# Altium PCB Main_Board2.PcbDoc (part 1 of 2)
Units mm, origin at the board's own origin, x right, y up, seen from the top; angles counter-clockwise.
Board outline 136.91 x 66.34 mm, 2 copper layers (Top Layer, Bottom Layer); 76 components, 99 nets, 355 pads, 359 vias.
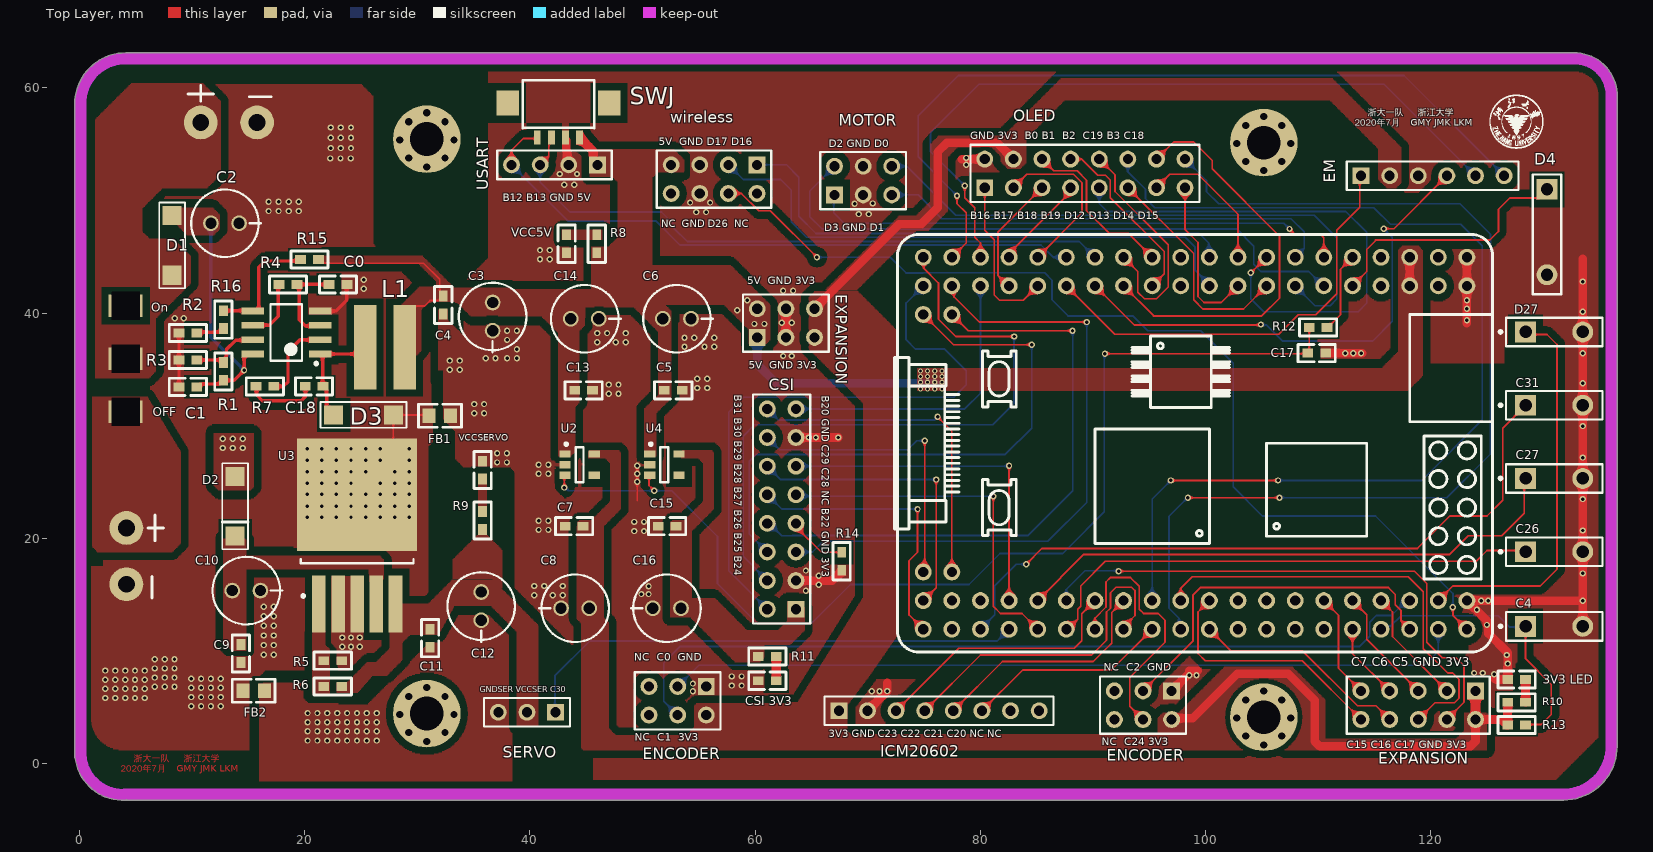
[diagram p0: Top Layer view]
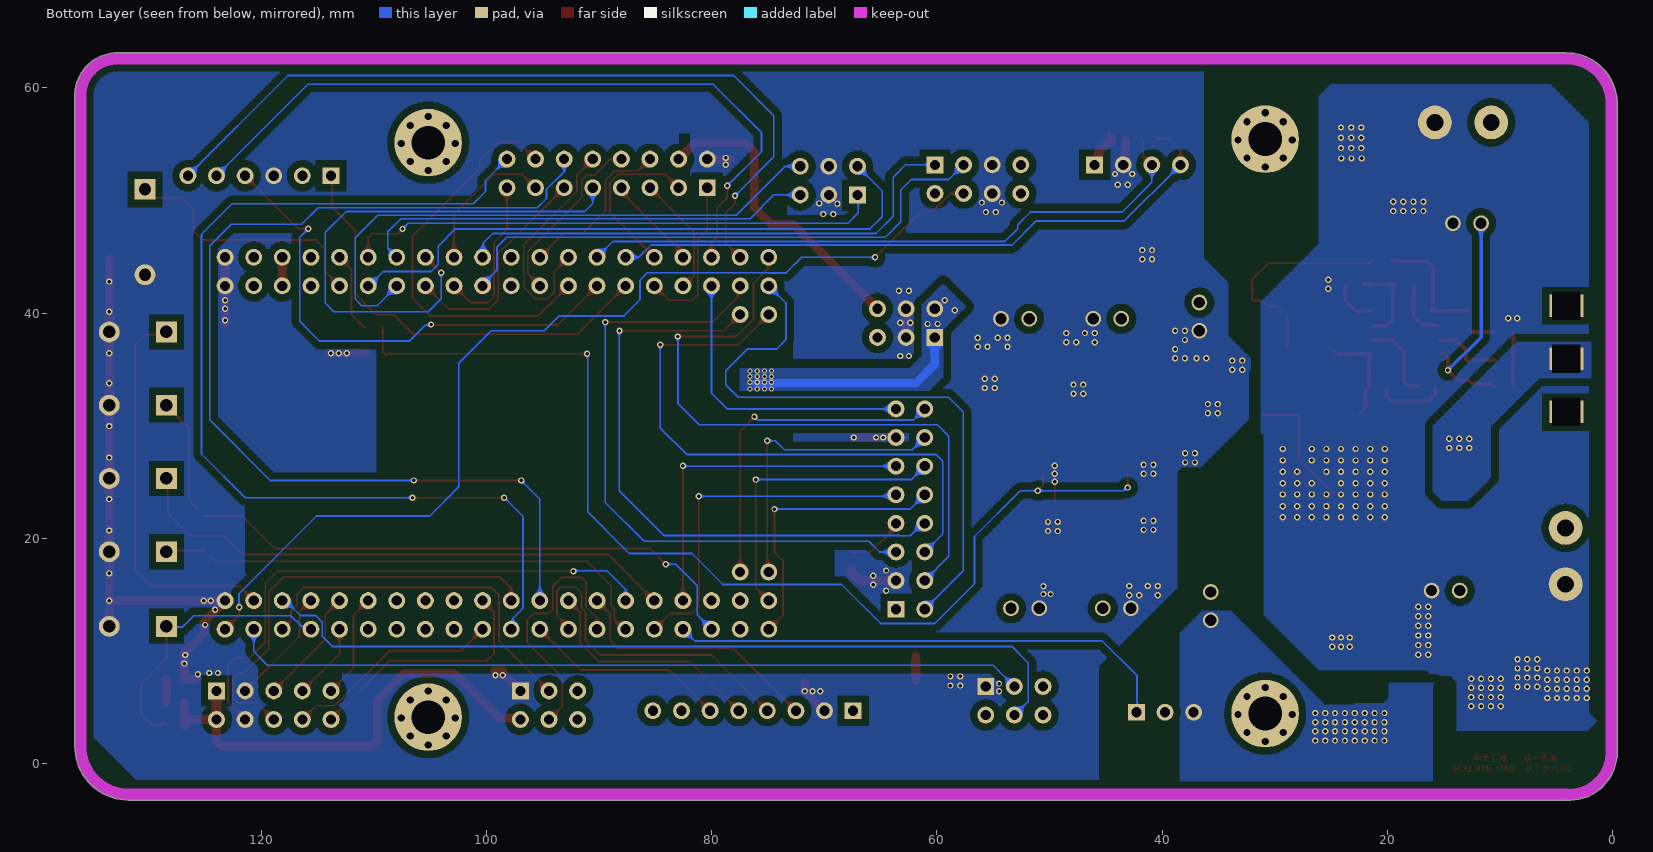
[diagram p1: Bottom Layer view, seen from below]

## Layer stack, top to bottom
Top Solder: solder mask 0.0102, Solder Resist, Dk 3.5
Top Layer: signal copper 0.0356
Dielectric 1: dielectric 0.32, FR-4, Dk 4.8
Bottom Layer: signal copper 0.0356
Bottom Solder: solder mask 0.0102, Solder Resist, Dk 3.5

## Board outline
4.087,-3.237 cw(c3.88,1.019) -0.342,0.438 cw(c0.127,0.635) -0.381,0.635 -0.381,1.011 cw(c3.88,1.019) -0.381,1.027 -0.381,58.801 cw(c0.128,58.801) -0.37,58.905 cw(c4.127,58.594) 4.127,63.102 132.667,63.102 cw(c132.741,59.318) 136.521,59.493 cw(c136.016,59.436) 136.525,59.436 136.525,59.396 cw(c136.016,59.386) 136.525,59.386 cw(c136.016,59.386) 136.525,59.377 136.525,1.563 cw(c136.017,1.563) 136.525,1.557 cw(c131.744,1.553) 136.525,1.553 cw(c131.744,1.553) 131.755,-3.229 cw(c131.754,-2.721) 131.75,-3.229 cw(c131.744,-2.721) 131.744,-3.229 4.327,-3.229 cw(c4.327,-2.721) 4.21,-3.215 cw(c4.062,-2.729)

## Design rules (kind name [scope] priority, off if disabled: settings)
Clearance [All] p1: gap=0.6 ignorepadtopadclearanceinfootprint=TRUE
PlaneConnect [All] p1: planeconnectstyle=Direct reliefexpansion=0.508 reliefentries=4 reliefconductorwidth=0.254 reliefairgap=0.254
PolygonConnect [All] p1: connectstyle=Direct reliefconductorwidth=0.254 reliefentries=4 polygonreliefangle="90 Angle" airgapwidth=0.254
RoutingVias [All] p1: holewidth=0.305 width=0.559 viastyle="Through Hole" minholewidth=0.305 minwidth=0.559 maxholewidth=0.305 maxwidth=0.559
SilkToSilkClearance [All] p1: silktosilkclearance=0.051
SilkToSolderMaskClearance [IsPad] p1: minsilkscreentomaskgap=0.051 clearancetoexposedcopper=TRUE
SolderMaskExpansion [All] p1: expansion=0.102
Width PWR [InNetClass('PWR')] p1: maxlimit=1.524 minlimit=0.762 preferedwidth=0.762
Width [All] p2: maxlimit=0.152 minlimit=0.152 preferedwidth=0.152
27 further rules are at their usual default settings.

## Classes and differential pairs
component class main_board2: C0 C1 C2 C3 C5 C6 C7 C8 C9 C10 C11 C12 C13 C14 C15 C16 C17 C18 D1 D2 D3 FB1 FB2 L1 LED1 LED2 LED3 LED4 P1 P2 P3 P4 P5 P6 P7 P8 P9 P10 P11 P12 P13 R1 R2 R3 R4 R5 R6 R7 R8 R9 R10 R11 R12 R13 R14 R15 R16 S0 S1 S2 S3 S4 S5 S6 U2 U3 U4 U6

## Components (designator, comment, footprint, x,y, rotation, side; value= is the part's Value field where it differs from the comment)
"3V3 LED" "0" 0603C 127.603,7.48 r180 top (schematic designator LED3)
C0 "Cap" 0603C 22.982,42.545 r0 top value=1uF
C1 "Cap" 0603C 9.652,33.452 r0 top value=100nF
C2 "Cap" 电解电容 11.696,47.981 r0 top value=100uF/16V
C3 "Cap" 电解电容 36.703,40.942 r270 top value=100uF/16V
C4 "" SPST-2 130.937,12.192 r0 top (schematic designator S4)
C4 "Cap" 0603C 32.32,40.719 r90 top value=100nF
C5 "Cap" 0603C 52.737,33.147 r180 top value=100nF
C6 "Cap" 电解电容 51.816,39.497 r0 top value=100uF/16V
C7 "Cap" 0603C 43.942,21.082 r0 top value=100nF
C8 "Cap" 电解电容 45.28,13.795 r180 top value=100uF/16V
C9 "Cap" 0603C 14.351,9.779 r90 top value=100nF
C10 "Cap" 电解电容 13.589,15.367 r0 top value=100uF/16V
C11 "Cap" 0603C 31.153,11.144 r90 top value=100nF
C12 "Cap" 电解电容 35.687,15.24 r270 top value=100uF/16V
C13 "Cap" 0603C 44.78,33.147 r180 top value=100nF
C14 "Cap" 电解电容 43.634,39.497 r0 top value=100uF/16V
C15 "Cap" 0603C 52.197,21.082 r0 top value=100nF
C16 "Cap" 电解电容 53.427,13.795 r180 top value=100uF/16V
C17 "Cap" 0603C 109.855,36.449 r180 top value=10uF
C18 "Cap" 0603C 20.853,33.503 r0 top value=1uF
C26 "" SPST-2 130.937,18.821 r0 top (schematic designator S4)
C27 "" SPST-2 130.937,25.324 r0 top (schematic designator S3)
C31 "" SPST-2 130.937,31.826 r0 top (schematic designator S2)
CSI "Header 8X2" HDR2X8 63.627,13.716 r90 top (schematic designator P11)
"CSI 3V3" "0" 0603C 61.087,7.366 r180 top (schematic designator LED4)
D1 "SS54" ss54 8.255,46.008 r270 top
D2 "SS54" SS54 13.843,22.86 r90 top
D3 "SS54" ss54 25.242,30.963 r180 top
D4 "Comment" SWITCH1 130.302,45.949 r270 top
D27 "" SPST-2 130.937,38.329 r0 top (schematic designator S1)
EM "Comment" HDR1X6 113.792,52.197 r0 top
ENCODER "Header 3X2" HDR2X3 96.977,6.464 r180 top (schematic designator P5)
ENCODER "Header 3X2" HDR2X3 55.668,6.858 r180 top (schematic designator P4)
EXPANSION "Header 3X2" HDR2X3 60.198,37.846 r0 top (schematic designator P13)
EXPANSION "Header 5X2" HDR2X5 123.952,6.464 r180 top (schematic designator P12)
FB1 "0R" 0805 32.02,30.888 r180 top
FB2 "0R" 0805 15.494,6.477 r0 top
ICM20602 "Header 8" HDR1X8 67.437,4.699 r0 top (schematic designator P8)
L1 "4.7uH" CD73 23.351,33.274 r0 top
MOTOR "Header 3X2" HDR2X3 67.056,50.495 r0 top (schematic designator P6)
OLED "Header 8X2" HDR2X8 80.391,51.13 r0 top (schematic designator P1)
On "SW-SPDT" SW 4.127,35.941 r270 top (schematic designator S6)
R1 "Res2" 0603R 12.802,34.823 r270 top value=51k
R2 "Res2" 0603R 9.652,38.227 r0 top value=47
R3 "Res2" 0603R 9.652,35.839 r0 top value=130k
R4 "Res2" 0603R 18.542,42.545 r0 top value=100k
R5 "Res2" 0603R 22.511,9.144 r180 top value=100k
R6 "Res2" 0603R 22.511,6.858 r0 top value=360k
R7 "Res2" 0603R 16.485,33.503 r180 top value=51k
R8 "Res2" 0603R 45.945,46.158 r270 top value=4.7k
R9 "Res2" 0603R 35.814,21.59 r270 top value=5.6k
R10 "Res2" 0603R 127.603,5.455 r180 top value=2.2k
R11 "Res2" 0603R 61.087,9.525 r180 top value=2.2k
R12 "Res2" 0603R 109.982,38.735 r180 top value=10k
R13 "Res2" 0603R 127.603,3.429 r0 top value=4.7k
R14 "Res2" 0603R 67.691,17.97 r90 top value=10k
R15 "Res2" 0603R 20.447,44.755 r0 top value=27k
R16 "Res2" 0603R 12.802,39.421 r90 top value=5.1K
SERVO "Header 3" HDR1X3 42.291,4.572 r180 top (schematic designator P3)
SWJ "Comment" WAFER4 42.545,57.125 r0 top
U2 "RT9013-33" SOT23-5_L 44.43,26.543 r0 top
U3 "LM2941" TO-263-5L 24.682,19.031 r90 top
U4 "RT9013-33" SOT23-5_L 51.943,26.543 r0 top
U5 "ADuM3221" SOIC-8 18.39,38.278 r180 top
U6 "MIMXRT1064xVL_CoreBoard" MIMXRT1064XVL_COREBOARD 99.06,28.448 r180 top
USART "Header 4" HDR1X4 46.002,53.162 r180 top (schematic designator P2)
VCC5V "0" 0603C 43.273,46.158 r270 top (schematic designator LED1)
VCCSERVO "0" 0603C 35.814,26.067 r90 top (schematic designator LED2)
wireless "Header 4X2" HDR2X4 60.173,53.162 r180 top (schematic designator P7)
? "SCR2" "Mech Hole 1" 105.156,55.064 r0 top
? "SCR2" "Mech Hole 1" 30.861,55.381 r0 top
? "SCR2" "Mech Hole 1" 30.861,4.381 r0 top
? "Comment" VCCBAT 4.191,16.485 r270 top
? "Comment" VCCBAT 15.24,56.921 r0 top
? "SCR2" "Mech Hole 1" 105.156,4.064 r0 top

## Footprints (in the part's own frame and the unit in brackets; to place one, negate y for a bottom-side part, rotate by r counter-clockwise, add the part's x,y. Pads: shape width x height; smd on the part's side, far side on the other; paste and mask are expansions set on the pad)
0603C [mil]
  rect 37.5x31 smd: 1(-31.25,0) 2(31.25,0)
  silkscreen extent -65,-30 65,30
0603R [mil]
  rect 37.5x31 smd: 1(-31.25,0) 2(31.25,0)
  silkscreen extent -65,-30 65,30
0805 [mil]
  rect 45x50 smd: 1(-37.5,0) 2(37.5,0)
  silkscreen extent -75,-40 75,40
CD73 [mm]
  rect 2x7.5 smd: 16(2.032,3.683) 17(5.532,3.683)
  rect 1.5x7.5 smd: 16(2.032,3.683)
HDR1X3 [mm] "Connector; Header; 3 Position"
  rect 1.5x1.5 hole 0.9: 1(0,0)
  round 1.5 hole 0.9: 2(2.54,0) 3(5.08,0)
  silkscreen extent -1.27,-1.27 6.35,1.27
HDR1X4 [mm] "Connector; Header; 4 Position"
  rect 1.5x1.5 hole 0.9: 1(0,0)
  round 1.5 hole 0.9: 2(2.54,0) 3(5.08,0) 4(7.62,0)
  silkscreen extent -1.27,-1.27 8.89,1.27
HDR1X6 [mm] "Connector; Header; 6 Position"
  rect 1.5x1.5 hole 0.9: 1(0,0)
  round 1.5 hole 0.9: 2(2.54,0) 3(5.08,0) 4(7.62,0) 5(10.16,0) 6(12.7,0)
  silkscreen extent -1.27,-1.27 13.97,1.27
HDR1X8 [mm] "Connector; Header; 8 Position"
  rect 1.5x1.5 hole 0.9: 1(0,0)
  round 1.5 hole 0.9: 2(2.54,0) 3(5.08,0) 4(7.62,0) 5(10.16,0) 6(12.7,0) 7(15.24,0) 8(17.78,0)
  silkscreen extent -1.27,-1.27 19.05,1.27
HDR2X3 [mm] "Connector; Header; 3x2 Position"
  rect 1.5x1.5 hole 0.9: 1(0,0)
  round 1.5 hole 0.9: 2(0,2.54) 3(2.54,0) 4(2.54,2.54) 5(5.08,0) 6(5.08,2.54)
  silkscreen extent -1.27,-1.27 6.35,3.81
HDR2X4 [mm] "Connector; Header; 4x2 Position"
  rect 1.5x1.5 hole 0.9: 1(0,0)
  round 1.5 hole 0.9: 2(0,2.54) 3(2.54,0) 4(2.54,2.54) 5(5.08,0) 6(5.08,2.54) 7(7.62,0) 8(7.62,2.54)
  silkscreen extent -1.27,-1.27 8.89,3.81
HDR2X5 [mm] "Connector; Header; 5x2 Position"
  rect 1.5x1.5 hole 0.9: 1(0,0)
  round 1.5 hole 0.9: 2(0,2.54) 3(2.54,0) 4(2.54,2.54) 5(5.08,0) 6(5.08,2.54) 7(7.62,0) 8(7.62,2.54) 9(10.16,0) 10(10.16,2.54)
  silkscreen extent -1.27,-1.27 11.43,3.81
HDR2X8 [mm] "Connector; Header; 8x2 Position"
  rect 1.5x1.5 hole 0.9: 1(0,0)
  round 1.5 hole 0.9: 2(0,2.54) 3(2.54,0) 4(2.54,2.54) 5(5.08,0) 6(5.08,2.54) 7(7.62,0) 8(7.62,2.54) 9(10.16,0) 10(10.16,2.54) 11(12.7,0) 12(12.7,2.54) 13(15.24,0) 14(15.24,2.54) 15(17.78,0) 16(17.78,2.54)
  silkscreen extent -1.27,-1.27 19.05,3.81
"Mech Hole 1" [mm]
  round 6 hole 3: 0(0,0.064)
  round 0.635 hole 0.635: 1(-2.4,0) 1(-1.6,-1.6) 1(-1.6,1.6) 1(0,-2.4) 1(0,2.4) 1(1.6,-1.6) 1(1.6,1.6) 1(2.4,0)
MIMXRT1064XVL_COREBOARD [mm] "逐飞科技i.MX RT1064核心板整体封?"
  round 1.5 hole 0.9: 1(-24.13,-16.51) 2(-24.13,-13.97) 3(-21.59,-16.51) 4(-21.59,-13.97) 5(-19.05,-16.51) 6(-19.05,-13.97) 7(-16.51,-16.51) 8(-16.51,-13.97) 9(-13.97,-16.51) 10(-13.97,-13.97) 11(-11.43,-16.51) 12(-11.43,-13.97) 13(-8.89,-16.51) 14(-8.89,-13.97) 15(-6.35,-16.51) 16(-6.35,-13.97) 17(-3.81,-16.51) 18(-3.81,-13.97) 19(-1.27,-16.51) 20(-1.27,-13.97) 21(1.27,-16.51) 22(1.27,-13.97) 23(3.81,-16.51) 24(3.81,-13.97) 25(6.35,-16.51) 26(6.35,-13.97) 27(8.89,-16.51) 28(8.89,-13.97) 29(11.43,-16.51) 30(11.43,-13.97) 31(13.97,-16.51) 32(13.97,-13.97) 33(16.51,-16.51) 34(16.51,-13.97) 35(19.05,-16.51) 36(19.05,-13.97) 37(21.59,-16.51) 38(21.59,-13.97) 39(24.13,-16.51) 40(24.13,-13.97) 41(21.59,-11.43) 42(24.13,-11.43) 43(24.13,11.43) 44(21.59,11.43) 45(24.13,13.97) 46(24.13,16.51) 47(21.59,13.97) 48(21.59,16.51) 49(19.05,13.97) 50(19.05,16.51) 51(16.51,13.97) 52(16.51,16.51) 53(13.97,13.97) 54(13.97,16.51) 55(11.43,13.97) 56(11.43,16.51) 57(8.89,13.97) 58(8.89,16.51) 59(6.35,13.97) 60(6.35,16.51) 61(3.81,13.97) 62(3.81,16.51) 63(1.27,13.97) 64(1.27,16.51) 65(-1.27,13.97) 66(-1.27,16.51) 67(-3.81,13.97) 68(-3.81,16.51) 69(-6.35,13.97) 70(-6.35,16.51) 71(-8.89,13.97) 72(-8.89,16.51) 73(-11.43,13.97) 74(-11.43,16.51) 75(-13.97,13.97) 76(-13.97,16.51) 77(-16.51,13.97) 78(-16.51,16.51) 79(-19.05,13.97) 80(-19.05,16.51) 81(-21.59,13.97) 82(-21.59,16.51) 83(-24.13,13.97) 84(-24.13,16.51)
  silkscreen extent -26.42,-18.54 26.67,18.54
SOIC-8 [mm]
  rect 2x0.6 smd: 1(-3,1.905) 2(-3,0.635) 3(-3,-0.635) 4(-3,-1.905) 5(3,-1.905) 6(3,-0.635) 7(3,0.635) 8(3,1.905)
  silkscreen extent -2.78,-2.5 1.4,2.88, body extent -3.05,-2.44 3.05,2.46, height 1.51
SOT23-5_L [mm] "SOT23, 6-Leads, Body 2.9x1.6mm, Pitch 0.95mm, Lead Span 2.7mm, IPC High Density"
  rect 1x0.65 smd: 1(-1.3,0.95) 2(-1.3,0) 3(-1.3,-0.95) 4(1.3,-0.95) 5(1.3,0.95)
  silkscreen extent -1.32,-1.55 0.35,1.95, body extent -1.36,-1.5 1.14,1.5, height 1.05
SPST-2 [mm] "Switch; 2 Leads"
  rect 1.85x1.85 hole 1.1: 1(-2.54,0)
  round 1.85 hole 1.1: 2(2.54,0)
  silkscreen extent -4.89,-1.27 4.28,1.27
ss54 [mm]
  rect 1.7x1.7 smd: A(-2.65,0) K(2.65,0)
  silkscreen extent -3.81,-1.14 3.81,1.14
SS54 [mm]
  rect 1.7x1.7 smd: A(-2.65,0) K(2.65,0)
  silkscreen extent -3.81,-1.14 3.81,1.14
SW [mm]
  rect 2x3 hole 2.5 square: 1(-4.7,0) 2(0,0) 3(4.7,0)
SWITCH1 [mm] "Switch; 2 Leads"
  rect 1.85x1.85 hole 1.1: 1(-5.04,0)
  round 1.85 hole 1.1: 2(2.54,0)
  silkscreen extent -6.35,-1.27 4.28,1.27
TO-263-5L [mm]
  rect 5.08x1.2 smd: 1(-4.845,3.4) 2(-4.845,1.7) 3(-4.845,0) 4(-4.845,-1.7) 5(-4.845,-3.4)
  rect 10x10.66 smd: 6(4.845,0)
  silkscreen extent -4.26,-5 -0.86,5, body extent -4.34,-5.05 9.67,5.11, height 4.58
VCCBAT [mm]
  round 3 hole 1.5: 1(-4.445,0) 1(0.555,0)
  silkscreen extent -5.59,1.9 1.78,3.3
WAFER4 [mm]
  rect 2x2.2 smd: 0(-4.5,1.538) 0(4.5,1.538)
  rect 0.6x1.27 smd: 1(-1.875,-1.537) 2(-0.625,-1.537) 3(0.625,-1.537) 4(1.875,-1.537)
  silkscreen extent -3.17,-0.7 3.17,3.54
电解电容 [mm]
  round 1.4 hole 1: 1(0,0) 2(2.5,0)
  silkscreen extent -1.75,-3 4.44,3

## Part data
"3V3 LED" "CSI 3V3" VCC5V VCCSERVO: library part LED2, "Typical RED, GREEN, YELLOW, AMBER GaAs LED", LatestRevisionDate=17-Jul-2002, LatestRevisionNote="Re-released for DXP Platform.", PackageDescription="SM LED; 2 Flat Leads", PackageReference=3.2X1.6X1.1, PackageVersion=Feb-2002, Published=8-Jun-2000, Publisher="Altium Limited"
C0 C1 C4 C5 C7 C9 C11 C13 C15 C17 C18: "Capacitor", LatestRevisionDate=17-Jul-2002, LatestRevisionNote="Re-released for DXP Platform.", PackageDescription="Radial Cap, Thru-Hole; 2 Leads; 0.3 in Pin Spacing", PackageReference=RAD-0.3, Published=8-Jun-2000, Publisher="Altium Limited"
C2 C3 C6 C8 C10 C12 C14 C16: library part Cap2, "Capacitor", LatestRevisionDate=17-Jul-2002, LatestRevisionNote="Re-released for DXP Platform.", PackageDescription="Radial Cap, Thru-Hole; 2 Leads; 0.3 in Pin Spacing", PackageReference=RAD-0.3, Published=8-Jun-2000, Publisher="Altium Limited"
C4 C26 C27 C31 D27: library part SW-PB, "Switch", LatestRevisionDate=17-Jul-2002, LatestRevisionNote="Re-released for DXP Platform.", PackageDescription="Switch; 2 Leads", PackageReference=SPST-2, Published=24-Mar-1999, Publisher="Altium Limited"
CSI OLED: "Header, 8-Pin, Dual row", LatestRevisionDate=17-Jul-2002, LatestRevisionNote="Re-released for DXP Platform.", Publisher="Altium Limited"
D1 D2 D3: library part Diode_1, "Default Diode", Code_JEDEC=DO-214-AB, LatestRevisionDate=17-Jul-2002, LatestRevisionNote="Re-released for DXP Platform.", PackageDescription="DO-214-AB/SMC; 2 C-Bend Leads; Body 7.9 x 5.9 mm, inc. leads (LxW)", PackageReference=SMC, PackageVersion=Sep-1996, Published=8-Jun-2000, Publisher="Altium Limited"
ENCODER ENCODER EXPANSION MOTOR: "Header, 3-Pin, Dual row", LatestRevisionDate=17-Jul-2002, LatestRevisionNote="Re-released for DXP Platform.", Publisher="Altium Limited"
EXPANSION: "Header, 5-Pin, Dual row", LatestRevisionDate=17-Jul-2002, LatestRevisionNote="Re-released for DXP Platform.", Publisher="Altium Limited"
FB1 FB2: library part FB, "Inductor", Code_IEC=1005, Code_JEITA=0402, LatestRevisionDate=29-May-2009, LatestRevisionNote="IPC-7351 Footprint Added.", PackageDescription="Chip Inductor", PackageReference=0402-A, Published=8-Jun-2000, Publisher="Altium Limited"
ICM20602: "Header, 8-Pin", LatestRevisionDate=17-Jul-2002, LatestRevisionNote="Re-released for DXP Platform.", Publisher="Altium Limited"
L1: library part Inductor_2, "Inductor", Code_IEC=1005, Code_JEITA=0402, LatestRevisionDate=29-May-2009, LatestRevisionNote="IPC-7351 Footprint Added.", PackageDescription="Chip Inductor", PackageReference=0402-A, Published=8-Jun-2000, Publisher="Altium Limited"
On: "SPDT Subminiature Toggle Switch, Right Angle Mounting, Vertical Actuation", ComponentLink1Description="Manufacturer Link", ComponentLink1URL=http://www.apem.com, DatasheetVersion=05-Dec-2000, LatestRevisionDate=17-Dec-2003, LatestRevisionNote="Schematic revised, PCB Footprint replaced.", PackageDescription="Switch; 4 Leads", PackageReference=TL36WW15050, Published=24-Mar-1999, Publisher="Altium Limited"
R1 R2 R4 R5 R7 R8 R10 R11 R12 R13 R14 R15 R16: "Resistor", LatestRevisionDate=17-Jul-2002, LatestRevisionNote="Re-released for DXP Platform.", PackageDescription="Axial Device, Thru-Hole; 2 Leads; 0.4 in Pin Spacing", PackageReference=AXIAL-0.4, Published=8-Jun-2000, Publisher="Altium Limited"
R3: "Resistor 改成了120k", LatestRevisionDate=17-Jul-2002, LatestRevisionNote="Re-released for DXP Platform.", PackageDescription="Axial Device, Thru-Hole; 2 Leads; 0.4 in Pin Spacing", PackageReference=AXIAL-0.4, Published=8-Jun-2000, Publisher="Altium Limited"
R6: "Resistor 改成了330k", LatestRevisionDate=17-Jul-2002, LatestRevisionNote="Re-released for DXP Platform.", PackageDescription="Axial Device, Thru-Hole; 2 Leads; 0.4 in Pin Spacing", PackageReference=AXIAL-0.4, Published=8-Jun-2000, Publisher="Altium Limited"
R9: "Resistor改成了5.1k", LatestRevisionDate=17-Jul-2002, LatestRevisionNote="Re-released for DXP Platform.", PackageDescription="Axial Device, Thru-Hole; 2 Leads; 0.4 in Pin Spacing", PackageReference=AXIAL-0.4, Published=8-Jun-2000, Publisher="Altium Limited"
SERVO: "Header, 3-Pin", LatestRevisionDate=17-Jul-2002, LatestRevisionNote="Re-released for DXP Platform.", Publisher="Altium Limited"
U3 USART: "Header, 4-Pin", LatestRevisionDate=17-Jul-2002, LatestRevisionNote="Re-released for DXP Platform.", Publisher="Altium Limited"
U5: library part MP2482
U6: "逐飞科技i.MX RT1064核心板整体原理，可直接使用"
wireless: "Header, 4-Pin, Dual row", LatestRevisionDate=17-Jul-2002, LatestRevisionNote="Re-released for DXP Platform.", Publisher="Altium Limited"
? ? ? ?: library part M3, "铜柱孔"

## Via types
v1: diameter 0.559, hole 0.305, Top Layer to Bottom Layer, tented both sides, 343 vias
v2: diameter 0.457, hole 0.254, Top Layer to Bottom Layer, tented both sides, 16 vias

## Nets (pads, with @x,y where several pads share a name; then routed paths per layer and width w, separated by ;. In a path a pad name is that pad's centre, name@x,y a point inside that pad or via, vN(x,y) a via of type N, cw(c..) or ccw(c..) an arc to the next point about the centre after c; other vN are vias at no path point)
3V3: C7.2 C8.1 EM.2 ENCODER.2 EXPANSION.1@123.952,6.464 EXPANSION.2@123.952,3.924 EXPANSION.5@65.278,37.846 EXPANSION.6@65.278,40.386 ICM20602.1 OLED.4 R10.2 R13.1 U2.5 | length 70.5
  Top Layer w0.762: EXPANSION.6@65.278,40.386 72.771,47.879 74.727,47.879 76.2,49.352 76.2,54.291 77.027,55.118 81.483,55.118 OLED.4@82.931,53.67 ; ENCODER.2@96.977,3.924 97.1,4.047 98.87,4.047 102.824,8.001 107.308,8.001 109.664,5.645 109.664,1.996 110.111,1.549 123.506,1.549 123.952,1.996 EXPANSION.2@123.952,3.924 126.232,3.924 126.727,3.429 R13.1@126.809,3.429 R10.2@126.809,5.454
  Top Layer w0.8: EXPANSION.2@123.952,3.924 EXPANSION.1@123.952,6.464
B0: OLED.6 U6.23 | length 15
  Top Layer w0.152: OLED.6@85.471,53.67 86.512,52.629 88.595,52.629 89.427,51.797 89.427,49.093 91.438,47.081 93.127,47.081 U6.23@95.25,44.958
B1: OLED.8 U6.24 | length 16.1
  Top Layer w0.152: OLED.8@88.011,53.67 89.002,53.67 90.424,52.248 91.11,52.248 91.542,51.816 91.542,50.241 96.317,45.466 96.317,43.485 U6.24@95.25,42.418
B2: OLED.10 U6.25 | length 20.9
  Top Layer w0.152: OLED.10@90.551,53.67 91.95,52.271 91.95,50.798 96.672,46.076 96.672,42.316 95.631,41.275 94.564,41.275 93.98,41.859 93.98,43.688 U6.25@92.71,44.958
B3: OLED.14 U6.26 | length 36.6
  Top Layer w0.152: U6.26@92.71,42.418 95.377,39.751 104.978,39.751 106.553,41.326 106.553,46.838 100.584,52.807 100.584,53.543 98.933,55.194 97.155,55.194 OLED.14@95.631,53.67
B9: U6.49
B10: U6.48
B11: U6.47
B12: SWJ.1 U6.29 USART.4 | length 57.2
  Top Layer w0.152: USART.4@38.701,53.162 USART.4@38.382,53.162 38.382,54.46 39.421,55.499 40.582,55.499 SWJ.1@40.67,55.587
  Bottom Layer w0.152: USART.4@38.382,53.162 38.382,52.919 38.626,52.919 43.361,48.184 51.194,48.184 53.327,46.05 85.382,46.05 86.474,44.958 U6.29@87.63,44.958
B13: SWJ.2 U6.27 USART.3 | length 56.6
  Top Layer w0.152: USART.3@40.922,53.162 41.696,53.936 41.696,55.363 SWJ.2@41.92,55.587
  Bottom Layer w0.152: USART.3@40.922,53.162 40.922,51.61 43.561,48.971 51.689,48.971 52.832,47.828 52.832,47.498 53.975,46.355 88.773,46.355 U6.27@90.17,44.958
B14: EM.1 U6.30 | length 38.6
  Top Layer w0.152: U6.30@87.63,42.418 91.923,38.125 106.477,38.125 108.204,39.853 109.779,39.853 111.633,41.707 111.633,47.371 113.665,49.403 113.665,52.07 EM.1@113.792,52.197
B15: EM.4 U6.28 | length 45.3
  Top Layer w0.152: U6.28@90.17,42.418 93.65,38.938 104.851,38.938 v1(104.902,38.989) ; v1(115.799,47.498) 116.713,47.498 EM.4@121.412,52.197
  Bottom Layer w0.152: v1(104.902,38.989) 104.953,38.938 105.41,38.938 106.832,37.516 114.808,37.516 116.561,39.268 116.561,46.736 v1(115.799,47.498)
B16: OLED.1 U6.32 | length 14.4
  Top Layer w0.152: OLED.1@80.391,51.13 80.391,47.371 81.242,46.52 81.242,41.606 81.699,41.148 83.82,41.148 U6.32@85.09,42.418
B17: OLED.3 U6.31 | length 15.3
  Top Layer w0.152: OLED.3@82.931,51.13 83.134,51.13 83.134,51.333 84.125,52.324 88.265,52.324 89.027,51.562 89.027,48.895 U6.31@85.09,44.958
B18: OLED.5 U6.34 | length 10.8
  Top Layer w0.152: U6.34@82.55,42.418 82.46,42.418 81.571,43.307 81.571,47.231 OLED.5@85.471,51.13
B19: OLED.7 U6.33 | length 8.4
  Top Layer w0.152: U6.33@82.55,44.958 82.55,45.314 88.011,50.775 OLED.7@88.011,51.13
B20: CSI.15 U6.36 | length 27
  Bottom Layer w0.152: CSI.15@63.627,31.496 63.744,31.613 63.938,31.42 63.938,31.439 64.25,31.75 64.25,31.496 78.613,31.496 80.01,32.893 U6.36@80.01,42.418
B21: EM.5 U6.35 | length 66.4
  Top Layer w0.152: v1(78.613,51.295) 78.613,50.241 79.489,49.365 79.489,46.749 80.01,46.228 U6.35@80.01,44.958
  Bottom Layer w0.152: v1(78.613,51.295) 75.565,54.343 75.565,56.007 79.883,60.325 115.824,60.325 EM.5@123.952,52.197
B22: CSI.5 U6.38 | length 57.4
  Top Layer w0.152: U6.38@77.47,42.418 77.657,42.231 77.657,41.439 79.891,39.205 v1(89.446,39.205)
  Bottom Layer w0.152: CSI.5@63.627,18.796 65.101,18.796 66.04,19.736 85.992,19.736 89.446,23.19 v1(89.446,39.205)
B23: EM.6 U6.37 | length 72
  Top Layer w0.152: U6.37@77.47,44.958 78.74,46.228 78.74,48.895 77.927,49.708 v1(77.927,50.419)
  Bottom Layer w0.152: v1(77.927,50.419) 74.473,53.873 74.473,57.531 78.029,61.087 117.602,61.087 EM.6@126.492,52.197
B24: CSI.2 U6.40 | length 54.1
  Bottom Layer w0.152: CSI.2@61.087,13.716 57.658,17.145 57.658,31.217 58.979,32.537 77.622,32.537 78.74,33.655 78.74,34.925 78.715,34.925 76.835,36.805 74.244,36.805 73.406,37.643 73.406,40.894 U6.40@74.93,42.418
B25: CSI.4 U6.39 | length 58.1
  Top Layer w0.152: U6.39@74.93,44.958 74.964,44.924 74.964,43.979 76.276,42.667 76.276,39.472 77.826,37.922 v1(83.007,37.922)
  Bottom Layer w0.152: CSI.4@61.087,16.256 58.941,18.402 58.941,29.083 59.944,30.086 59.944,30.099 81.09,30.099 82.995,32.004 82.995,37.681 v1@83.033,37.719
B26: CSI.6 U6.42 | length 53.3
  Top Layer w0.152: U6.42@74.93,39.878 77.61,37.198 v1(84.557,37.198)
  Bottom Layer w0.152: CSI.6@61.087,18.796 59.488,20.395 59.488,26.84 60.105,27.457 82.22,27.457 84.557,29.794 v1(84.557,37.198) v1@84.455,37.3
B27: CSI.8 U6.41 | length 54.9
  Top Layer w0.152: U6.41@77.47,39.878 77.47,39.751 77.754,39.751 77.754,39.594 78.918,38.43 v1(88.18,38.43)
  Bottom Layer w0.152: CSI.8@61.087,21.336 61.265,21.336 62.357,20.244 63.325,20.244 63.33,20.249 84.201,20.249 88.194,24.242 88.194,38.417 v1(88.18,38.43)
B28: CSI.10 U6.46 | length 25.4
  Top Layer w0.152: v1(74.422,22.606) 74.422,18.766 73.66,18.004 73.66,13.208 U6.46@74.93,11.938
  Bottom Layer w0.152: CSI.10@61.087,23.876 62.357,22.606 v1(74.422,22.606)
B29: CSI.12 U6.45 | length 26.7
  Top Layer w0.152: U6.45@74.93,14.478 76.073,15.621 v1(76.073,25.222)
  Bottom Layer w0.152: CSI.12@61.087,26.416 62.281,25.222 76.068,25.222 v1@76.073,25.217
B30: CSI.14 U6.43 | length 26.5
  Top Layer w0.152: U6.43@74.93,17.018 75.057,17.145 v1(75.057,28.677)
  Bottom Layer w0.152: CSI.14@61.087,28.956 62.179,27.864 73.533,27.864 74.346,28.677 v1(75.057,28.677)
B31: CSI.16 U6.44 | length 30
  Top Layer w0.152: v1(76.2,30.81) 77.47,29.54 U6.44@77.47,17.018
  Bottom Layer w0.152: CSI.16@61.087,31.496 62.078,30.505 75.895,30.505 v1(76.2,30.81)
C0: ENCODER.3@53.128,6.858 U6.82 | length 71
  Bottom Layer w0.152: ENCODER.3@53.128,6.858 55.02,8.75 119.443,8.75 120.65,9.957 120.65,11.43 120.904,11.684 U6.82@120.65,11.938
C1: ENCODER.4@53.128,4.318 U6.79 | length 74.6
  Bottom Layer w0.152: ENCODER.4@53.128,4.318 53.128,4.677 52.769,4.677 51.892,5.554 51.892,8.966 51.918,8.966 53.365,10.414 113.665,10.414 114.554,11.303 114.554,12.573 115.139,13.158 116.499,13.158 117.819,14.478 U6.79@118.11,14.478
C2: ENCODER.3@94.437,6.464 U6.80 | length 32.5
  Top Layer w0.152: ENCODER.3@94.437,6.464 98.882,10.909 98.882,14.986 99.517,15.621 99.517,15.634 116.229,15.634 116.84,15.024 116.84,14.097 117.348,13.589 117.348,12.7 U6.80@118.11,11.938
C3: U6.77 | length 10.4
  Top Layer w0.152: U6.77@115.57,14.478 116.586,13.462 116.586,11.29 121.412,6.464
C4: C4.1@128.397,12.192 R13.2 U6.78 | length 25.6
  Top Layer w0.152: R13.2@128.397,3.429 128.651,3.683 128.651,3.626 128.797,3.48 129.794,3.48 130.683,4.369 130.683,7.031 128.397,9.317 C4.1@128.397,12.319
  Bottom Layer w0.152: U6.78@115.57,11.938 115.828,12.196 116.399,12.196 117.348,13.144 125.984,13.144 127,12.128 128.207,12.128 C4.1@128.397,12.319
C5: EXPANSION.5@118.872,6.464 U6.75 | length 10.4
  Top Layer w0.152: U6.75@113.03,14.478 114.3,13.208 114.3,11.036 EXPANSION.5@118.872,6.464
C6: EXPANSION.7 U6.76 | length 6.8
  Top Layer w0.152: U6.76@113.03,11.938 113.03,9.766 EXPANSION.7@116.332,6.464
C7: EXPANSION.9 U6.73 | length 9.4
  Top Layer w0.152: U6.73@110.49,14.478 111.792,13.176 111.792,8.464 EXPANSION.9@113.792,6.464
C8: U6.74
C9: U6.71
C10: U6.72
C11: U6.69
C12: U6.70
C13: U6.67
C14: U6.68
C15: EXPANSION.10 U6.65 | length 22
  Top Layer w0.152: U6.65@100.33,14.478 99.314,13.462 99.314,9.779 99.949,9.144 108.572,9.144 EXPANSION.10@113.792,3.924
C16: EXPANSION.8 U6.66 | length 19.3
  Top Layer w0.152: U6.66@100.33,11.938 102.235,10.033 108.585,10.033 113.479,5.139 115.117,5.139 EXPANSION.8@116.332,3.924
C17: EXPANSION.6@118.872,3.924 U6.63 | length 39.2
  Top Layer w0.152: U6.63@97.79,14.478 97.79,15.583 98.806,16.599 117.996,16.599 119.323,15.272 119.323,10.217 121.488,8.052 121.933,8.052 122.492,7.493 122.492,5.817 122.085,5.41 120.358,5.41 EXPANSION.6@118.872,3.924 118.817,3.924 EXPANSION.6@118.817,3.979
C18: OLED.16 U6.64 | length 91.3
  Top Layer w0.152: v1@98.425,23.597 98.438,23.609 106.54,23.609 v1(106.553,23.622)
  Bottom Layer w0.152: U6.64@97.79,11.938 97.627,12.101 97.627,12.917 96.749,13.795 96.749,21.971 98.387,23.609 v1(98.425,23.609) ; OLED.16@98.171,53.67 100.076,51.765 100.076,50.781 101.149,49.708 122.58,49.708 125.281,47.007 125.281,27.491 121.412,23.622 v1(106.553,23.622)
C19: OLED.12 U6.61 | length 92.5
  Top Layer w0.152: v1(96.901,25.146) v1(106.426,25.146)
  Bottom Layer w0.152: OLED.12@93.091,53.67 93.091,52.561 94.652,50.999 94.652,50.178 95.479,49.352 114.935,49.352 116.408,47.879 122.648,47.879 124.553,45.974 124.553,30.522 119.177,25.146 v1(106.426,25.146) ; U6.61@95.25,14.478 95.25,23.495 v1(96.901,25.146)
C20: ICM20602.6 U6.62 | length 18.1
  Top Layer w0.152: ICM20602.6@80.137,4.699 83.757,8.319 91.631,8.319 U6.62@95.25,11.938
C21: ICM20602.5 U6.59 | length 20.8
  Top Layer w0.152: ICM20602.5@77.597,4.699 81.966,9.068 90.018,9.068 91.504,10.554 91.516,10.554 91.656,10.693 91.656,13.424 U6.59@92.71,14.478
C22: ICM20602.4 U6.60 | length 29.5
  Top Layer w0.152: ICM20602.4@75.057,4.699 80.01,9.652 89.891,9.652 91.199,10.96 91.199,13.462 91.548,13.811 91.548,15.182 92.037,15.672 93.421,15.672 93.726,15.367 93.726,13.158 92.71,12.142 U6.60@92.71,11.938
C23: ICM20602.3 U6.57 | length 23.1
  Top Layer w0.152: ICM20602.3@72.517,4.699 78.079,10.261 88.328,10.261 88.989,10.922 88.989,13.297 U6.57@90.17,14.478
C24: ENCODER.4@94.437,3.924 U6.58 | length 23.4
  Top Layer w0.152: U6.58@90.17,11.938 90.17,12.929 91.149,13.907 91.149,16.13 91.542,16.523 93.332,16.523 94.107,15.748 94.107,13.716 94.488,13.335 95.783,13.335 96.393,12.725 96.393,10.795 93.256,7.658 93.256,5.105 ENCODER.4@94.437,3.924
C25: U6.55 | length 48.9
  Top Layer w0.152: v1(92.266,17.094) 118.535,17.094 119.628,16.002 119.628,10.776 121.006,9.398 122.225,9.398 122.936,8.687 122.936,5.448 121.412,3.924
  Bottom Layer w0.152: U6.55@87.63,14.478 87.63,15.469 89.294,17.132 v1@92.266,17.132
C26: C26.1 U6.56 | length 45.3
  Top Layer w0.152: U6.56@87.63,11.938 87.757,11.938 88.646,12.827 88.646,13.716 88.9,13.97 88.9,15.773 91.099,17.973 124.018,17.973 124.968,18.923 128.295,18.923 C26.1@128.397,18.821
C27: C27.1 U6.53 | length 49.5
  Top Layer w0.152: U6.53@85.09,14.478 89.192,18.58 121.653,18.58 123.317,20.244 126.289,20.244 128.27,22.225 128.27,25.197 C27.1@128.397,25.324
C28: CSI.9 U6.54 | length 32.2
  Top Layer w0.152: v1(81.153,23.749) 81.153,13.97 81.788,13.335 83.693,13.335 84.9,12.128 84.9,11.938 U6.54@85.09,11.938
  Bottom Layer w0.152: CSI.9@63.627,23.876 63.754,23.749 v1(81.153,23.749)
C29: CSI.11 U6.51 | length 31.1
  Top Layer w0.152: U6.51@82.55,14.478 82.46,14.568 82.55,14.657 v1(82.55,26.441)
  Bottom Layer w0.152: CSI.11@63.627,26.416 63.805,26.238 63.983,26.416 82.525,26.416 v1(82.55,26.441)
C30: SERVO.1 U6.52 | length 45.4
  Top Layer w0.152: SERVO.1@42.291,4.572 SERVO.1@42.384,4.479
  Bottom Layer w0.152: SERVO.1@42.291,4.572 42.233,4.63 42.233,7.793 45.336,10.897 81.509,10.897 U6.52@82.55,11.938
C31: C31.1 U6.50 | length 61.9
  Top Layer w0.152: v1(84.074,17.704) 84.074,17.716 85.471,19.113 118.808,19.113 121.682,21.987 124.968,21.987 126.365,23.384 126.365,29.794 C31.1@128.397,31.826
  Bottom Layer w0.152: U6.50@80.01,11.938 81.28,13.208 81.28,15.803 83.181,17.704 v1(84.074,17.704)
CR: C17.2 R12.2 U2.3 U4.3 | length 96.7
  Top Layer w0.152: v1(43.073,24.511) 43.073,25.536 U2.3@43.13,25.593 ; U4.3@50.643,25.593 50.586,25.536 50.586,24.693 v1(51.043,24.236) ; v1(91.059,36.398) 108.788,36.398 108.899,36.287 C17.2@109.061,36.449 109.188,36.576 R12.2@109.188,38.735
  Bottom Layer w0.152: v1(43.073,24.511) 43.183,24.511 43.46,24.234 51.041,24.234 v1(51.043,24.236) 52.599,24.236 56.664,20.171 56.664,15.98 60.198,12.446 64.999,12.446 68.466,15.913 78.994,15.913 81.737,18.656 87.325,18.656 87.782,19.113 87.782,19.126 91.008,22.352 v1@91.008,36.398
CSI_3V3: C15.2 C16.1 CSI.1 R11.2 U4.5
D0: MOTOR.6 U6.14 | length 52.2
  Bottom Layer w0.152: MOTOR.6@72.136,53.035 73.457,53.035 77.8,48.692 109.637,48.692 111.633,46.696 111.633,41.25 111.049,40.665 109.703,40.665 U6.14@107.95,42.418
D1: MOTOR.5 U6.13 | length 40.6
  Bottom Layer w0.152: MOTOR.5@72.136,50.495 74.473,50.495 76.581,48.387 107.569,48.387 108.748,47.208 108.748,45.756 U6.13@107.95,44.958
D2: MOTOR.2 U6.12 | length 54.5
  Bottom Layer w0.152: MOTOR.2@67.056,53.035 64.863,50.842 64.863,48.551 65.942,47.473 102.743,47.473 104.267,45.949 104.267,44.323 104.902,43.688 109.144,43.688 110.414,42.418 U6.12@110.49,42.418
D3: MOTOR.1 U6.11 | length 47.8
  Top Layer w0.152: v1(107.442,47.473) 107.865,47.05 110.145,47.05 110.49,46.704 U6.11@110.49,44.958
  Bottom Layer w0.152: MOTOR.1@67.056,50.495 66.98,50.419 66.98,48.895 67.894,47.981 106.934,47.981 v1(107.442,47.473)
D4: D4.1 U6.10 | length 23.4
  Top Layer w0.152: U6.10@113.03,42.418 114.302,43.69 114.302,45.644 115.075,46.417 115.075,46.484 125.224,46.484 125.984,47.244 125.984,49.191 127.006,50.214 D4.1@129.527,50.214
  Top Layer w0.3: D4.1@129.527,50.214 D4.1@130.302,50.989 D4.1@130.093,51.198
D12: OLED.9 U6.15 | length 47.8
  Top Layer w0.152: v1(104.013,43.574) 104.019,43.574 105.404,44.958 U6.15@105.41,44.958
  Bottom Layer w0.152: OLED.9@90.551,51.13 90.551,49.733 91.262,49.022 112.446,49.022 114.3,47.168 114.3,40.894 113.538,40.132 105.156,40.132 104.013,41.275 v1(104.013,43.574)
D13: OLED.11 U6.16 | length 20
  Top Layer w0.152: OLED.11@93.091,51.13 98.933,45.288 98.933,41.173 99.746,40.361 103.353,40.361 U6.16@105.41,42.418
D14: OLED.13 U6.17 | length 13
  Top Layer w0.152: OLED.13@95.631,51.13 96.825,52.324 99.314,52.324 102.87,48.768 U6.17@102.87,44.958
D15: OLED.15 U6.18 | length 14.5
  Top Layer w0.152: OLED.15@98.171,51.13 98.171,47.409 99.314,46.266 99.314,41.478 99.85,40.942 101.394,40.942 U6.18@102.87,42.418
D16: U6.19 wireless.1 | length 46.3
  Bottom Layer w0.152: wireless.1@60.173,53.162 62.789,53.162 63.881,52.07 63.881,48.59 65.405,47.066 99.441,47.066 100.279,46.228 100.279,45.009 U6.19@100.33,44.958
D17: U6.20 wireless.3 | length 50.1
  Bottom Layer w0.152: wireless.3@57.633,53.162 58.941,51.854 62.281,51.854 63.208,50.927 63.208,48.095 64.567,46.736 98.171,46.736 99.06,45.847 99.06,43.815 100.33,42.545 U6.20@100.33,42.418
D26: U6.84 wireless.4 | length 90.2
  Top Layer w0.152: wireless.4@57.633,50.622 58.789,50.622 60.313,49.098 61.354,49.098 v1(65.494,44.958) ; v1(121.945,13.897) 121.945,13.183 U6.84@123.19,11.938
  Bottom Layer w0.152: v1(65.494,44.958) 72.009,44.958 73.406,43.561 74.917,43.561 74.93,43.574 85.712,43.574 86.36,42.926 86.36,41.173 87.782,39.751 93.523,39.751 94.844,38.43 99.568,38.43 102.438,35.56 102.438,24.575 105.029,21.984 115.075,21.984 121.945,15.113 v1(121.945,13.897)
D27: D27.1 U6.81 | length 34.9
  Top Layer w0.152: U6.81@120.65,14.478 121.945,15.773 129.692,15.773 131.191,17.272 131.191,37.211 130.302,38.1 128.626,38.1 D27.1@128.397,38.329
GND: "3V3 LED.2" "CSI 3V3.2" C3.2 C4.1@32.32,39.925 C4.2@133.477,12.192 C5.1 C6.2 C7.1 C8.2 C13.1 C14.2 C15.1 C16.2 C17.1 C26.2 C27.2 C31.2 CSI.3 CSI.13 D4.2 D27.2 EM.3 ENCODER.1 EXPANSION.3 EXPANSION.4 FB1.1 ICM20602.2 MOTOR.3 MOTOR.4 OLED.2 R14.1 SWJ.3 U2.2 U4.2 U6.1 U6.2 U6.83 USART.2 VCC5V.2 VCCSERVO.2 wireless.5 wireless.6 | length 86.6
  Top Layer w0.152: 49.53,23.368 v1(49.53,26.441)
  Top Layer w0.762: SWJ.3@43.251,55.333 43.251,54.434 43.321,54.364 43.321,53.303 USART.2@43.462,53.162 ; EXPANSION.3@62.738,37.846 EXPANSION.4@62.738,40.386 ; CSI.3@63.627,16.256 66.853,16.256 67.691,17.094 R14.1@67.691,17.177 ; CSI.13@63.627,28.956 v1(67.378,28.956) ; ICM20602.2@69.977,4.699 v1(71.729,6.451) 71.729,7.168 ; 78.359,53.67 OLED.2@80.391,53.67 ; ENCODER.1@96.977,6.464 98.552,8.039 98.552,8.242 99.301,8.242 ; C17.1@110.649,36.449 v1@113.906,36.449 ; v1@123.19,39.116 v1(123.19,39.37) v1(123.19,40.386) v1(123.19,41.148) U6.2@123.19,42.418 U6.1@123.19,44.958 ; 125.663,7.544 125.714,7.493 126.797,7.493 126.809,7.48 v1(126.809,8.89) 126.809,9.842 125.095,11.557 125.095,12.573 124.968,12.446 v1(124.968,12.319) 124.968,12.7 U6.83@123.19,14.478 v1(124.46,14.478) v1(125.095,14.478) v1(133.477,14.478) ; C4.2@133.477,12.319 v1(133.477,14.478) ; 133.477,44.831 v1(133.477,42.799) v1(133.477,40.132) D27.2@133.477,38.329 v1(133.477,36.449) v1(133.477,33.782) C31.2@133.477,31.826 v1(133.477,29.972) v1(133.477,27.178) C27.2@133.477,25.324 v1(133.477,23.495) v1(133.477,20.701) C26.2@133.477,18.821 v1(133.477,16.891) v1(133.477,14.478)
  other v1: 54.483,6.426 70.358,6.426 71.043,6.426 57.924,6.934 58.801,6.934 54.483,7.112 57.924,7.747 58.801,7.747 98.552,7.849 99.187,7.849 125.603,7.95 123.825,8.052 124.587,8.052 126.727,9.652 124.079,13.665 40.398,14.961 42.049,14.961 42.926,14.961 49.911,15.062 50.546,15.062 64.516,15.367 50.546,15.748 40.398,15.773 41.275,15.773 42.926,15.773 65.654,15.875 65.654,16.688 64.516,17.145 49.265,20.65 50.142,20.65 40.779,20.752 41.656,20.752 49.265,21.463 50.142,21.463 40.779,21.565 41.656,21.565 49.53,25.019 40.779,25.73 41.656,25.73 49.53,25.73 40.779,26.543 41.656,26.543 37.096,26.746 37.973,26.746 37.096,27.559 37.973,27.559 64.77,28.956 65.405,28.956 35.064,31.115 35.941,31.115 35.064,31.928 35.941,31.928 47.002,32.842 47.879,32.842 54.876,33.35 55.753,33.35 47.002,33.655 47.879,33.655 54.876,34.163 55.753,34.163 32.905,34.976 33.782,34.976 32.905,35.789 33.782,35.789 36.08,35.992 36.957,35.992 37.985,35.992 38.862,35.992 62.484,36.195 63.246,36.195 112.395,36.449 113.093,36.449 113.792,36.449 38.862,36.805 53.733,37.008 55.511,37.008 56.388,37.008 45.986,37.414 47.637,37.414 48.514,37.414 37.985,37.617 53.733,37.821 54.61,37.821 56.388,37.821 45.986,38.227 46.863,38.227 48.514,38.227 37.985,38.43 38.862,38.43 62.357,39.141 63.246,39.141 62.484,41.986 63.373,41.986 40.906,44.78 41.783,44.78 40.906,45.593 41.783,45.593 69.215,48.793 70.104,48.793 54.772,48.971 55.649,48.971 68.834,49.708 70.434,49.733 54.229,49.809 56.007,49.809 43.065,51.384 43.942,51.384 42.672,52.349 44.196,52.349 78.74,53.162 78.74,53.772
GNDBAT: ?.1@4.191,15.93 ?.1@15.795,56.921 C0.2 C1.1 C2.2 C9.1 C10.2 D3.A FB1.2 FB2.1 R2.1 R3.1 R5.1 U3.2 U3.3 U3.6 U5.4 | length 20.7
  Top Layer w0.152: C0.2@23.749,42.489 23.693,42.545 C0.2@23.776,42.545 ; U3.6@24.682,23.876 27.892,27.086 D3.A@27.892,30.963 30.992,30.963 FB1.2@31.067,30.888
  Top Layer w0.3: C1.1@8.858,33.452 R3.1@8.858,35.839 R2.1@8.858,38.227 ; U5.4@21.39,40.183 22.771,40.183 23.749,41.161 C0.2@23.749,42.489
  other v1: 9.942,5.105 10.819,5.105 11.696,5.105 12.573,5.105 2.328,5.833 3.205,5.833 4.082,5.833 4.959,5.833 5.836,5.833 9.942,5.918 10.819,5.918 11.696,5.918 12.573,5.918 2.328,6.645 3.205,6.645 4.082,6.645 4.959,6.645 5.836,6.645 9.942,6.731 10.819,6.731 11.696,6.731 12.573,6.731 6.713,6.833 7.59,6.833 8.467,6.833 2.328,7.458 3.205,7.458 4.082,7.458 4.959,7.458 5.836,7.458 9.942,7.544 10.819,7.544 11.696,7.544 12.573,7.544 6.713,7.645 7.59,7.645 8.467,7.645 2.328,8.271 3.205,8.271 4.082,8.271 4.959,8.271 5.836,8.271 6.713,8.458 7.59,8.458 8.467,8.458 6.713,9.271 7.59,9.271 8.467,9.271 16.395,9.677 17.272,9.677 23.343,10.389 24.13,10.389 24.917,10.389 16.395,10.531 17.272,10.531 23.343,11.201 24.13,11.201 24.917,11.201 16.395,11.384 17.272,11.384 16.395,12.238 17.272,12.238 16.395,13.091 17.272,13.091 16.395,13.945 17.272,13.945 20.253,21.869 21.545,21.869 22.838,21.869 24.13,21.869 25.423,21.869 26.715,21.869 28.008,21.869 29.3,21.869 20.253,22.86 21.545,22.86 22.838,22.86 24.13,22.86 25.423,22.86 26.715,22.86 28.008,22.86 29.3,22.86 20.253,23.901 21.545,23.901 22.838,23.901 24.13,23.901 25.423,23.901 26.715,23.901 28.008,23.901 29.3,23.901 20.253,24.892 21.545,24.892 22.838,24.892 24.13,24.892 26.715,24.892 28.008,24.892 29.3,24.892 20.253,25.908 21.545,25.908 22.838,25.908 24.13,25.908 25.423,25.908 28.008,25.908 29.3,25.908 20.253,26.924 21.545,26.924 22.838,26.924 24.13,26.924 25.423,26.924 26.715,26.924 29.3,26.924 20.253,27.94 21.545,27.94 22.838,27.94 24.13,27.94 25.423,27.94 26.715,27.94 29.3,27.94 8.484,39.548 9.296,39.548 25.273,42.152 25.273,42.965 16.815,49.059 17.704,49.059 18.593,49.059 19.482,49.059 16.815,49.872 17.704,49.872 18.593,49.872 19.482,49.872 22.297,53.733 23.202,53.733 24.107,53.733 22.323,54.647 23.228,54.647 24.133,54.647 22.323,55.562 23.228,55.562 24.133,55.562 22.323,56.476 23.228,56.476 24.133,56.476